# Altium PCB PCB1.PcbDoc (part 1 of 2) (continued)
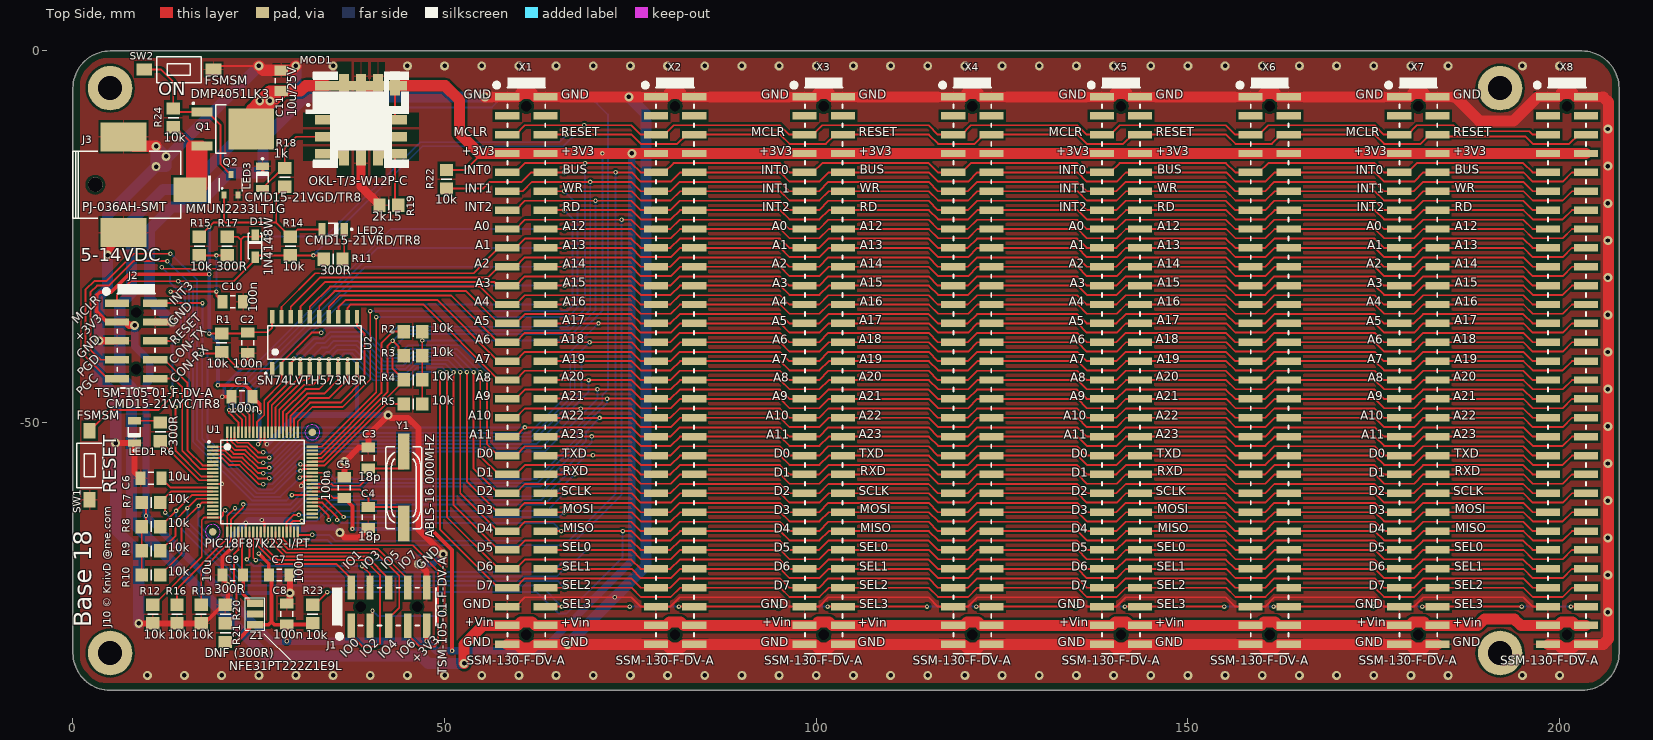
[diagram p0: Top Side view]
## Nets (pads, with @x,y where several pads share a name; then routed paths per layer and width w, separated by ;. In a path a pad name is that pad's centre, name@x,y a point inside that pad or via, vN(x,y) a via of type N, cw(c..) or ccw(c..) an arc to the next point about the centre after c; other vN are vias at no path point) (continued)
  Bottom Layer w1.5: v2(52.625,-82.4) 47.8,-82.4 46.8,-81.4 25.95,-81.4 7.875,-63.325 7.875,-45.3 6.3,-43.725 6.3,-34.15 7.875,-32.575 7.875,-22.875 12.1,-18.65 15.275,-18.65 25.125,-8.8 ; 25.125,-8.8 26.5,-7.425 v2(26.5,-6.725) v2(25.125,-6.725) 25.125,-8.8
A00: U1.39 X1.15 X2.15 X3.15 X4.15 X5.15 X6.15 X7.15 X8.15 | length 232.7
  Top Side w0.25: U1.39@29.75,-64.7 29.75,-65.85 29.9,-66 31.2,-66 v1(31.425,-65.775) ; X1.15@58.425,-23.95 59.55,-23.95 60.8,-22.7 v1(73.8,-22.7) 75.12,-22.7 76.37,-23.95 X2.15@78.425,-23.95 80.38,-23.95 81.63,-22.7 95.12,-22.7 96.37,-23.95 X3.15@98.425,-23.95 100.38,-23.95 101.63,-22.7 115.12,-22.7 116.37,-23.95 X4.15@118.425,-23.95 120.38,-23.95 121.63,-22.7 135.12,-22.7 136.37,-23.95 X5.15@138.425,-23.95 140.38,-23.95 141.63,-22.7 155.12,-22.7 156.37,-23.95 X6.15@158.425,-23.95 160.38,-23.95 161.63,-22.7 175.12,-22.7 176.37,-23.95 X7.15@178.425,-23.95 180.38,-23.95 181.63,-22.7 195.12,-22.7 196.37,-23.95 X8.15@198.425,-23.95
  Bottom Layer w0.25: v1(31.425,-65.775) 34.225,-65.775 34.95,-66.5 67,-66.5 73.8,-59.7 v1(73.8,-22.7)
A01: U2.19 X1.17 X2.17 X3.17 X4.17 X5.17 X6.17 X7.17 X8.17 | length 182.2
  Top Side w0.25: U2.19@28.055,-35.75 28.055,-34.445 32.6,-29.9 53.9,-29.9 57.31,-26.49 X1.17@58.425,-26.49 59.55,-26.49 60.8,-25.24 75.12,-25.24 76.37,-26.49 X2.17@78.425,-26.49 80.38,-26.49 81.63,-25.24 95.12,-25.24 96.37,-26.49 X3.17@98.425,-26.49 100.38,-26.49 101.63,-25.24 115.12,-25.24 116.37,-26.49 X4.17@118.425,-26.49 120.38,-26.49 121.63,-25.24 135.12,-25.24 136.37,-26.49 X5.17@138.425,-26.49 140.38,-26.49 141.63,-25.24 155.12,-25.24 156.37,-26.49 X6.17@158.425,-26.49 160.38,-26.49 161.63,-25.24 175.12,-25.24 176.37,-26.49 X7.17@178.425,-26.49 180.38,-26.49 181.63,-25.24 195.12,-25.24 196.37,-26.49 X8.17@198.425,-26.49
A02: U2.18 X1.19 X2.19 X3.19 X4.19 X5.19 X6.19 X7.19 X8.19 | length 180
  Top Side w0.25: U2.18@29.325,-35.75 29.289,-35.714 29.3,-35.703 29.3,-34.4 33.2,-30.5 55.8,-30.5 57.27,-29.03 X1.19@58.425,-29.03 59.55,-29.03 60.8,-27.78 75.12,-27.78 76.37,-29.03 X2.19@78.425,-29.03 80.38,-29.03 81.63,-27.78 95.12,-27.78 96.37,-29.03 X3.19@98.425,-29.03 100.38,-29.03 101.63,-27.78 115.12,-27.78 116.37,-29.03 X4.19@118.425,-29.03 120.38,-29.03 121.63,-27.78 135.12,-27.78 136.37,-29.03 X5.19@138.425,-29.03 140.38,-29.03 141.63,-27.78 155.12,-27.78 156.37,-29.03 X6.19@158.425,-29.03 160.38,-29.03 161.63,-27.78 175.12,-27.78 176.37,-29.03 X7.19@178.425,-29.03 180.38,-29.03 181.63,-27.78 195.12,-27.78 196.37,-29.03 X8.19@198.425,-29.03
A03: U2.17 X1.21 X2.21 X3.21 X4.21 X5.21 X6.21 X7.21 X8.21 | length 178
  Top Side w0.25: U2.17@30.595,-35.75 30.6,-35.745 30.6,-34.4 33.9,-31.1 56.7,-31.1 57.17,-31.57 X1.21@58.425,-31.57 59.55,-31.57 60.8,-30.32 75.12,-30.32 76.37,-31.57 X2.21@78.425,-31.57 80.38,-31.57 81.63,-30.32 95.12,-30.32 96.37,-31.57 X3.21@98.425,-31.57 100.38,-31.57 101.63,-30.32 115.12,-30.32 116.37,-31.57 X4.21@118.425,-31.57 120.38,-31.57 121.63,-30.32 135.12,-30.32 136.37,-31.57 X5.21@138.425,-31.57 140.38,-31.57 141.63,-30.32 155.12,-30.32 156.37,-31.57 X6.21@158.425,-31.57 160.38,-31.57 161.63,-30.32 175.12,-30.32 176.37,-31.57 X7.21@178.425,-31.57 180.38,-31.57 181.63,-30.32 195.12,-30.32 196.37,-31.57 X8.21@198.425,-31.57
A04: U2.16 X1.23 X2.23 X3.23 X4.23 X5.23 X6.23 X7.23 X8.23 | length 177.3
  Top Side w0.25: U2.16@31.865,-35.75 31.865,-34.435 34.6,-31.7 54.8,-31.7 57.21,-34.11 X1.23@58.425,-34.11 59.55,-34.11 60.8,-32.86 75.12,-32.86 76.37,-34.11 X2.23@78.425,-34.11 80.38,-34.11 81.63,-32.86 95.12,-32.86 96.37,-34.11 X3.23@98.425,-34.11 100.38,-34.11 101.63,-32.86 115.12,-32.86 116.37,-34.11 X4.23@118.425,-34.11 120.38,-34.11 121.63,-32.86 135.12,-32.86 136.37,-34.11 X5.23@138.425,-34.11 140.38,-34.11 141.63,-32.86 155.12,-32.86 156.37,-34.11 X6.23@158.425,-34.11 160.38,-34.11 161.63,-32.86 175.12,-32.86 176.37,-34.11 X7.23@178.425,-34.11 180.38,-34.11 181.63,-32.86 195.12,-32.86 196.37,-34.11 X8.23@198.425,-34.11
A05: U2.15 X1.25 X2.25 X3.25 X4.25 X5.25 X6.25 X7.25 X8.25 | length 176.6
  Top Side w0.25: U2.15@33.135,-35.75 33.135,-34.365 35.2,-32.3 52.9,-32.3 57.25,-36.65 X1.25@58.425,-36.65 59.55,-36.65 60.8,-35.4 75.12,-35.4 76.37,-36.65 X2.25@78.425,-36.65 80.38,-36.65 81.63,-35.4 95.12,-35.4 96.37,-36.65 X3.25@98.425,-36.65 100.38,-36.65 101.63,-35.4 115.12,-35.4 116.37,-36.65 X4.25@118.425,-36.65 120.38,-36.65 121.63,-35.4 135.12,-35.4 136.37,-36.65 X5.25@138.425,-36.65 140.38,-36.65 141.63,-35.4 155.12,-35.4 156.37,-36.65 X6.25@158.425,-36.65 160.38,-36.65 161.63,-35.4 175.12,-35.4 176.37,-36.65 X7.25@178.425,-36.65 180.38,-36.65 181.63,-35.4 195.12,-35.4 196.37,-36.65 X8.25@198.425,-36.65
A06: U2.14 X1.27 X2.27 X3.27 X4.27 X5.27 X6.27 X7.27 X8.27 | length 175.8
  Top Side w0.25: U2.14@34.405,-35.75 34.405,-34.395 35.9,-32.9 50.9,-32.9 57.19,-39.19 X1.27@58.425,-39.19 59.55,-39.19 60.8,-37.94 75.12,-37.94 76.37,-39.19 X2.27@78.425,-39.19 80.38,-39.19 81.63,-37.94 95.12,-37.94 96.37,-39.19 X3.27@98.425,-39.19 100.38,-39.19 101.63,-37.94 115.12,-37.94 116.37,-39.19 X4.27@118.425,-39.19 120.38,-39.19 121.63,-37.94 135.12,-37.94 136.37,-39.19 X5.27@138.425,-39.19 140.38,-39.19 141.63,-37.94 155.12,-37.94 156.37,-39.19 X6.27@158.425,-39.19 160.38,-39.19 161.63,-37.94 175.12,-37.94 176.37,-39.19 X7.27@178.425,-39.19 180.38,-39.19 181.63,-37.94 195.12,-37.94 196.37,-39.19 X8.27@198.425,-39.19
A07: U2.13 X1.29 X2.29 X3.29 X4.29 X5.29 X6.29 X7.29 X8.29 | length 175.1
  Top Side w0.25: U2.13@35.675,-35.75 35.7,-35.725 35.7,-34.5 36.7,-33.5 49,-33.5 57.23,-41.73 X1.29@58.425,-41.73 59.55,-41.73 60.8,-40.48 75.12,-40.48 76.37,-41.73 X2.29@78.425,-41.73 80.38,-41.73 81.63,-40.48 95.12,-40.48 96.37,-41.73 X3.29@98.425,-41.73 100.38,-41.73 101.63,-40.48 115.12,-40.48 116.37,-41.73 X4.29@118.425,-41.73 120.38,-41.73 121.63,-40.48 135.12,-40.48 136.37,-41.73 X5.29@138.425,-41.73 140.38,-41.73 141.63,-40.48 155.12,-40.48 156.37,-41.73 X6.29@158.425,-41.73 160.38,-41.73 161.63,-40.48 175.12,-40.48 176.37,-41.73 X7.29@178.425,-41.73 180.38,-41.73 181.63,-40.48 195.12,-40.48 196.37,-41.73 X8.29@198.425,-41.73
A08: U2.12 X1.31 X2.31 X3.31 X4.31 X5.31 X6.31 X7.31 X8.31 | length 174.3
  Top Side w0.25: U2.12@36.945,-35.75 36.945,-34.555 37.4,-34.1 47.1,-34.1 57.27,-44.27 X1.31@58.425,-44.27 59.55,-44.27 60.8,-43.02 75.12,-43.02 76.37,-44.27 X2.31@78.425,-44.27 80.38,-44.27 81.63,-43.02 95.12,-43.02 96.37,-44.27 X3.31@98.425,-44.27 100.38,-44.27 101.63,-43.02 115.12,-43.02 116.37,-44.27 X4.31@118.425,-44.27 120.38,-44.27 121.63,-43.02 135.12,-43.02 136.37,-44.27 X5.31@138.425,-44.27 140.38,-44.27 141.63,-43.02 155.12,-43.02 156.37,-44.27 X6.31@158.425,-44.27 160.38,-44.27 161.63,-43.02 175.12,-43.02 176.37,-44.27 X7.31@178.425,-44.27 180.38,-44.27 181.63,-43.02 195.12,-43.02 196.37,-44.27 X8.31@198.425,-44.27
A09: U1.4 X1.33 X2.33 X3.33 X4.33 X5.33 X6.33 X7.33 X8.33 | length 206.6
  Top Side w0.25: U1.4@18.8,-54.75 20.05,-54.75 21,-55.7 22.4,-55.7 25,-58.3 v1(25.6,-58.3) ; X1.33@58.425,-46.81 59.55,-46.81 60.835,-45.525 v1(70.55,-45.525) 75.085,-45.525 76.37,-46.81 X2.33@78.425,-46.81 80.38,-46.81 81.63,-45.56 95.12,-45.56 96.37,-46.81 X3.33@98.425,-46.81 100.38,-46.81 101.63,-45.56 115.12,-45.56 116.37,-46.81 X4.33@118.425,-46.81 120.38,-46.81 121.63,-45.56 135.12,-45.56 136.37,-46.81 X5.33@138.425,-46.81 140.38,-46.81 141.63,-45.56 155.12,-45.56 156.37,-46.81 X6.33@158.425,-46.81 160.38,-46.81 161.63,-45.56 175.12,-45.56 176.37,-46.81 X7.33@178.425,-46.81 180.38,-46.81 181.63,-45.56 195.12,-45.56 196.37,-46.81 X8.33@198.425,-46.81
  Bottom Layer w0.25: v1(25.6,-58.3) 26.8,-58.3 31.2,-53.9 63.5,-53.9 70.55,-46.85 v1(70.55,-45.525)
A10: U1.3 X1.35 X2.35 X3.35 X4.35 X5.35 X6.35 X7.35 X8.35 | length 202
  Top Side w0.25: U1.3@18.8,-54.25 20.25,-54.25 21.2,-55.2 22.6,-55.2 24.9,-57.5 v1(26.4,-57.5) ; X1.35@58.425,-49.35 59.55,-49.35 60.8,-48.1 v1(68.3,-48.1) 75.12,-48.1 76.37,-49.35 X2.35@78.425,-49.35 80.38,-49.35 81.63,-48.1 95.12,-48.1 96.37,-49.35 X3.35@98.425,-49.35 100.38,-49.35 101.63,-48.1 115.12,-48.1 116.37,-49.35 X4.35@118.425,-49.35 120.38,-49.35 121.63,-48.1 135.12,-48.1 136.37,-49.35 X5.35@138.425,-49.35 140.38,-49.35 141.63,-48.1 155.12,-48.1 156.37,-49.35 X6.35@158.425,-49.35 160.38,-49.35 161.63,-48.1 175.12,-48.1 176.37,-49.35 X7.35@178.425,-49.35 180.38,-49.35 181.63,-48.1 195.12,-48.1 196.37,-49.35 X8.35@198.425,-49.35
  Bottom Layer w0.25: v1(26.4,-57.5) 26.8,-57.5 30.9,-53.4 63,-53.4 v1(68.3,-48.1)
A11: U1.78 X1.37 X2.37 X3.37 X4.37 X5.37 X6.37 X7.37 X8.37 | length 189.4
  Top Side w0.25: U1.78@21.75,-51.3 21.75,-52.25 22.2,-52.7 23.6,-52.7 24.9,-54 v1(25.6,-54) ; X1.37@58.425,-51.89 59.55,-51.89 v1(60.8,-50.64) 75.12,-50.64 76.37,-51.89 X2.37@78.425,-51.89 80.38,-51.89 81.63,-50.64 95.12,-50.64 96.37,-51.89 X3.37@98.425,-51.89 100.38,-51.89 101.63,-50.64 115.12,-50.64 116.37,-51.89 X4.37@118.425,-51.89 120.38,-51.89 121.63,-50.64 135.12,-50.64 136.37,-51.89 X5.37@138.425,-51.89 140.38,-51.89 141.63,-50.64 155.12,-50.64 156.37,-51.89 X6.37@158.425,-51.89 160.38,-51.89 161.63,-50.64 175.12,-50.64 176.37,-51.89 X7.37@178.425,-51.89 180.38,-51.89 181.63,-50.64 195.12,-50.64 196.37,-51.89 X8.37@198.425,-51.89
  Bottom Layer w0.25: v1(25.6,-54) 26.5,-54 29.86,-50.64 v1(60.8,-50.64)
A12: U1.77 X1.16 X2.16 X3.16 X4.16 X5.16 X6.16 X7.16 X8.16 | length 207.5
  Top Side w0.25: v1(21,-48.3) 21,-48.7 22.25,-49.95 U1.77@22.25,-51.3 ; X1.16@63.575,-23.95 v1(66.1,-23.95) 75.15,-23.95 76.4,-25.2 80.42,-25.2 81.67,-23.95 X2.16@83.575,-23.95 95.15,-23.95 96.4,-25.2 100.42,-25.2 101.67,-23.95 X3.16@103.575,-23.95 115.15,-23.95 116.4,-25.2 120.42,-25.2 121.67,-23.95 X4.16@123.575,-23.95 135.15,-23.95 136.4,-25.2 140.42,-25.2 141.67,-23.95 X5.16@143.575,-23.95 155.15,-23.95 156.4,-25.2 160.42,-25.2 161.67,-23.95 X6.16@163.575,-23.95 175.15,-23.95 176.4,-25.2 180.42,-25.2 181.67,-23.95 X7.16@183.575,-23.95 195.15,-23.95 196.4,-25.2 200.42,-25.2 201.67,-23.95 X8.16@203.575,-23.95
  Bottom Layer w0.25: v1(21,-48.3) 21,-45.7 42.75,-23.95 v1(66.1,-23.95)
A13: U1.76 X1.18 X2.18 X3.18 X4.18 X5.18 X6.18 X7.18 X8.18 | length 205.5
  Top Side w0.25: v1(21.8,-48.3) 21.8,-48.65 22.75,-49.6 U1.76@22.75,-51.3 ; X1.18@63.575,-26.49 v1(66.1,-26.49) 75.15,-26.49 76.4,-27.74 80.42,-27.74 81.67,-26.49 X2.18@83.575,-26.49 95.15,-26.49 96.4,-27.74 100.42,-27.74 101.67,-26.49 X3.18@103.575,-26.49 115.15,-26.49 116.4,-27.74 120.42,-27.74 121.67,-26.49 X4.18@123.575,-26.49 135.15,-26.49 136.4,-27.74 140.42,-27.74 141.67,-26.49 X5.18@143.575,-26.49 155.15,-26.49 156.4,-27.74 160.42,-27.74 161.67,-26.49 X6.18@163.575,-26.49 175.15,-26.49 176.4,-27.74 180.42,-27.74 181.67,-26.49 X7.18@183.575,-26.49 195.15,-26.49 196.4,-27.74 200.42,-27.74 201.67,-26.49 X8.18@203.575,-26.49
  Bottom Layer w0.25: v1(21.8,-48.3) 21.8,-45.7 41.01,-26.49 v1(66.1,-26.49)
A14: U1.75 X1.20 X2.20 X3.20 X4.20 X5.20 X6.20 X7.20 X8.20 | length 203.5
  Top Side w0.25: v1(22.6,-48.3) 22.6,-48.6 23.25,-49.25 U1.75@23.25,-51.3 ; X1.20@63.575,-29.03 v1(66.1,-29.03) 75.15,-29.03 76.4,-30.28 80.42,-30.28 81.67,-29.03 X2.20@83.575,-29.03 95.15,-29.03 96.4,-30.28 100.42,-30.28 101.67,-29.03 X3.20@103.575,-29.03 115.15,-29.03 116.4,-30.28 120.42,-30.28 121.67,-29.03 X4.20@123.575,-29.03 135.15,-29.03 136.4,-30.28 140.42,-30.28 141.67,-29.03 X5.20@143.575,-29.03 155.15,-29.03 156.4,-30.28 160.42,-30.28 161.67,-29.03 X6.20@163.575,-29.03 175.15,-29.03 176.4,-30.28 180.42,-30.28 181.67,-29.03 X7.20@183.575,-29.03 195.15,-29.03 196.4,-30.28 200.42,-30.28 201.67,-29.03 X8.20@203.575,-29.03
  Bottom Layer w0.25: v1(22.6,-48.3) 22.6,-45.75 39.32,-29.03 v1(66.1,-29.03)
A15: U1.74 X1.22 X2.22 X3.22 X4.22 X5.22 X6.22 X7.22 X8.22 | length 201.5
  Top Side w0.25: v1(23.4,-48.3) 23.4,-48.6 23.75,-48.95 U1.74@23.75,-51.3 ; X1.22@63.575,-31.57 v1(66.1,-31.57) 75.15,-31.57 76.4,-32.82 80.42,-32.82 81.67,-31.57 X2.22@83.575,-31.57 95.15,-31.57 96.4,-32.82 100.42,-32.82 101.67,-31.57 X3.22@103.575,-31.57 115.15,-31.57 116.4,-32.82 120.42,-32.82 121.67,-31.57 X4.22@123.575,-31.57 135.15,-31.57 136.4,-32.82 140.42,-32.82 141.67,-31.57 X5.22@143.575,-31.57 155.15,-31.57 156.4,-32.82 160.42,-32.82 161.67,-31.57 X6.22@163.575,-31.57 175.15,-31.57 176.4,-32.82 180.42,-32.82 181.67,-31.57 X7.22@183.575,-31.57 195.15,-31.57 196.4,-32.82 200.42,-32.82 201.67,-31.57 X8.22@203.575,-31.57
  Bottom Layer w0.25: v1(23.4,-48.3) 23.4,-45.8 37.63,-31.57 v1(66.1,-31.57)
A16: U1.73 X1.24 X2.24 X3.24 X4.24 X5.24 X6.24 X7.24 X8.24 | length 199.5
  Top Side w0.25: U1.73@24.25,-51.3 v1(24.25,-48.3) ; X1.24@63.575,-34.11 v1(66.1,-34.11) 75.15,-34.11 76.4,-35.36 80.42,-35.36 81.67,-34.11 X2.24@83.575,-34.11 95.15,-34.11 96.4,-35.36 100.42,-35.36 101.67,-34.11 X3.24@103.575,-34.11 115.15,-34.11 116.4,-35.36 120.42,-35.36 121.67,-34.11 X4.24@123.575,-34.11 135.15,-34.11 136.4,-35.36 140.42,-35.36 141.67,-34.11 X5.24@143.575,-34.11 155.15,-34.11 156.4,-35.36 160.42,-35.36 161.67,-34.11 X6.24@163.575,-34.11 175.15,-34.11 176.4,-35.36 180.42,-35.36 181.67,-34.11 X7.24@183.575,-34.11 195.15,-34.11 196.4,-35.36 200.42,-35.36 201.67,-34.11 X8.24@203.575,-34.11
  Bottom Layer w0.25: v1(24.25,-48.3) 24.25,-45.75 35.89,-34.11 v1(66.1,-34.11)
A17: U1.79 X1.26 X2.26 X3.26 X4.26 X5.26 X6.26 X7.26 X8.26 | length 209.5
  Top Side w0.25: U1.79@21.25,-51.3 21.25,-52.45 22,-53.2 23.4,-53.2 24.9,-54.7 v1(26.4,-54.7) ; X1.26@63.575,-36.65 v1(70.7,-36.65) 75.15,-36.65 76.4,-37.9 80.42,-37.9 81.67,-36.65 X2.26@83.575,-36.65 95.15,-36.65 96.4,-37.9 100.42,-37.9 101.67,-36.65 X3.26@103.575,-36.65 115.15,-36.65 116.4,-37.9 120.42,-37.9 121.67,-36.65 X4.26@123.575,-36.65 135.15,-36.65 136.4,-37.9 140.42,-37.9 141.67,-36.65 X5.26@143.575,-36.65 155.15,-36.65 156.4,-37.9 160.42,-37.9 161.67,-36.65 X6.26@163.575,-36.65 175.15,-36.65 176.4,-37.9 180.42,-37.9 181.67,-36.65 X7.26@183.575,-36.65 195.15,-36.65 196.4,-37.9 200.42,-37.9 201.67,-36.65 X8.26@203.575,-36.65
  Bottom Layer w0.25: v1(26.4,-54.7) 26.5,-54.7 29.8,-51.4 61.4,-51.4 66.9,-45.9 66.9,-40.45 v1(70.7,-36.65)
A18: U1.80 X1.28 X2.28 X3.28 X4.28 X5.28 X6.28 X7.28 X8.28 | length 208.1
  Top Side w0.25: U1.80@20.75,-51.3 20.75,-52.65 21.8,-53.7 23.2,-53.7 24.9,-55.4 v1(25.6,-55.4) ; X1.28@63.575,-39.19 v1(69.5,-39.19) 75.15,-39.19 76.4,-40.44 80.42,-40.44 81.67,-39.19 X2.28@83.575,-39.19 95.15,-39.19 96.4,-40.44 100.42,-40.44 101.67,-39.19 X3.28@103.575,-39.19 115.15,-39.19 116.4,-40.44 120.42,-40.44 121.67,-39.19 X4.28@123.575,-39.19 135.15,-39.19 136.4,-40.44 140.42,-40.44 141.67,-39.19 X5.28@143.575,-39.19 155.15,-39.19 156.4,-40.44 160.42,-40.44 161.67,-39.19 X6.28@163.575,-39.19 175.15,-39.19 176.4,-40.44 180.42,-40.44 181.67,-39.19 X7.28@183.575,-39.19 195.15,-39.19 196.4,-40.44 200.42,-40.44 201.67,-39.19 X8.28@203.575,-39.19
  Bottom Layer w0.25: v1(25.6,-55.4) 26.7,-55.4 30.2,-51.9 61.7,-51.9 67.5,-46.1 67.5,-41.19 v1(69.5,-39.19)
A19: U1.1 X1.30 X2.30 X3.30 X4.30 X5.30 X6.30 X7.30 X8.30 | length 206.5
  Top Side w0.25: U1.1@18.8,-53.25 20.65,-53.25 21.6,-54.2 23,-54.2 24.9,-56.1 v1(26.4,-56.1) ; X1.30@63.575,-41.73 v1(68.4,-41.73) 75.15,-41.73 76.4,-42.98 80.42,-42.98 81.67,-41.73 X2.30@83.575,-41.73 95.15,-41.73 96.4,-42.98 100.42,-42.98 101.67,-41.73 X3.30@103.575,-41.73 115.15,-41.73 116.4,-42.98 120.42,-42.98 121.67,-41.73 X4.30@123.575,-41.73 135.15,-41.73 136.4,-42.98 140.42,-42.98 141.67,-41.73 X5.30@143.575,-41.73 155.15,-41.73 156.4,-42.98 160.42,-42.98 161.67,-41.73 X6.30@163.575,-41.73 175.15,-41.73 176.4,-42.98 180.42,-42.98 181.67,-41.73 X7.30@183.575,-41.73 195.15,-41.73 196.4,-42.98 200.42,-42.98 201.67,-41.73 X8.30@203.575,-41.73
  Bottom Layer w0.25: v1(26.4,-56.1) 26.7,-56.1 30.4,-52.4 62,-52.4 68.4,-46 v1(68.4,-41.73)
A20: U1.2 X1.32 X2.32 X3.32 X4.32 X5.32 X6.32 X7.32 X8.32 | length 205.2
  Top Side w0.25: U1.2@18.8,-53.75 20.45,-53.75 21.4,-54.7 22.8,-54.7 24.9,-56.8 v1(25.6,-56.8) ; X1.32@63.575,-44.27 v1(69.362,-44.27) 75.15,-44.27 76.4,-45.52 80.42,-45.52 81.67,-44.27 X2.32@83.575,-44.27 95.15,-44.27 96.4,-45.52 100.42,-45.52 101.67,-44.27 X3.32@103.575,-44.27 115.15,-44.27 116.4,-45.52 120.42,-45.52 121.67,-44.27 X4.32@123.575,-44.27 135.15,-44.27 136.4,-45.52 140.42,-45.52 141.67,-44.27 X5.32@143.575,-44.27 155.15,-44.27 156.4,-45.52 160.42,-45.52 161.67,-44.27 X6.32@163.575,-44.27 175.15,-44.27 176.4,-45.52 180.42,-45.52 181.67,-44.27 X7.32@183.575,-44.27 195.15,-44.27 196.4,-45.52 200.42,-45.52 201.67,-44.27 X8.32@203.575,-44.27
  Bottom Layer w0.25: v1(25.6,-56.8) 26.7,-56.8 30.6,-52.9 62.3,-52.9 69.362,-45.838 v1(69.362,-44.27)
A21: R13.1 U1.22 X1.34 X2.34 X3.34 X4.34 X5.34 X6.34 X7.34 X8.34 | length 219.1
  Top Side w0.25: R13.1@17.25,-74.5 17.25,-69.9 21.25,-65.9 U1.22@21.25,-64.7 21.25,-63.05 22.9,-61.4 v1(22.9,-61) ; X1.34@63.575,-46.81 63.61,-46.775 v1(71.85,-46.775) 75.115,-46.775 76.4,-48.06 80.42,-48.06 81.67,-46.81 X2.34@83.575,-46.81 95.15,-46.81 96.4,-48.06 100.42,-48.06 101.67,-46.81 X3.34@103.575,-46.81 115.15,-46.81 116.4,-48.06 120.42,-48.06 121.67,-46.81 X4.34@123.575,-46.81 135.15,-46.81 136.4,-48.06 140.42,-48.06 141.67,-46.81 X5.34@143.575,-46.81 155.15,-46.81 156.4,-48.06 160.42,-48.06 161.67,-46.81 X6.34@163.575,-46.81 175.15,-46.81 176.4,-48.06 180.42,-48.06 181.67,-46.81 X7.34@183.575,-46.81 195.15,-46.81 196.4,-48.06 200.42,-48.06 201.67,-46.81 X8.34@203.575,-46.81
  Bottom Layer w0.25: v1(22.9,-61) 29.25,-61 32.15,-58.1 62.55,-58.1 68.425,-52.225 68.425,-50.775 71.85,-47.35 v1(71.85,-46.775)
A22: R16.1 U1.21 X1.36 X2.36 X3.36 X4.36 X5.36 X6.36 X7.36 X8.36 | length 218.5
  Top Side w0.25: R16.1@14,-74.5 14,-72.325 20.75,-65.575 U1.21@20.75,-64.7 20.75,-62.55 v1(21.8,-61.5) ; X1.36@63.575,-49.35 63.6,-49.375 v1(70.85,-49.375) 75.125,-49.375 75.15,-49.35 76.4,-50.6 80.42,-50.6 81.67,-49.35 X2.36@83.575,-49.35 95.15,-49.35 96.4,-50.6 100.42,-50.6 101.67,-49.35 X3.36@103.575,-49.35 115.15,-49.35 116.4,-50.6 120.42,-50.6 121.67,-49.35 X4.36@123.575,-49.35 135.15,-49.35 136.4,-50.6 140.42,-50.6 141.67,-49.35 X5.36@143.575,-49.35 155.15,-49.35 156.4,-50.6 160.42,-50.6 161.67,-49.35 X6.36@163.575,-49.35 175.15,-49.35 176.4,-50.6 180.42,-50.6 181.67,-49.35 X7.36@183.575,-49.35 195.15,-49.35 196.4,-50.6 200.42,-50.6 201.67,-49.35 X8.36@203.575,-49.35
  Bottom Layer w0.25: v1(21.8,-61.5) 22,-61.7 29.3,-61.7 32.4,-58.6 62.875,-58.6 69.025,-52.45 69.025,-51.2 v1(70.85,-49.375)
A23: R12.1 U1.20 X1.38 X2.38 X3.38 X4.38 X5.38 X6.38 X7.38 X8.38 | length 219.6
  Top Side w0.25: R12.1@10.75,-74.5 10.9,-74.5 17.325,-68.075 17.325,-63.1 17.675,-62.75 U1.20@18.8,-62.75 19.95,-62.75 20.175,-62.525 20.175,-62.125 v1(20.5,-61.8) ; X1.38@63.575,-51.89 63.615,-51.85 v1(69.8,-51.85) 75.11,-51.85 76.4,-53.14 80.42,-53.14 81.67,-51.89 X2.38@83.575,-51.89 95.15,-51.89 96.4,-53.14 100.42,-53.14 101.67,-51.89 X3.38@103.575,-51.89 115.15,-51.89 116.4,-53.14 120.42,-53.14 121.67,-51.89 X4.38@123.575,-51.89 135.15,-51.89 136.4,-53.14 140.42,-53.14 141.67,-51.89 X5.38@143.575,-51.89 155.15,-51.89 156.4,-53.14 160.42,-53.14 161.67,-51.89 X6.38@163.575,-51.89 175.15,-51.89 176.4,-53.14 180.42,-53.14 181.67,-51.89 X7.38@183.575,-51.89 195.15,-51.89 196.4,-53.14 200.42,-53.14 201.67,-51.89 X8.38@203.575,-51.89
  Bottom Layer w0.25: v1(20.5,-61.8) 20.9,-62.2 29.6,-62.2 31.9,-59.9 62.525,-59.9 69.8,-52.625 v1(69.8,-51.85)
ALE: U1.62 U2.11 | length 22.3
  Top Side w0.25: U1.62@29.75,-51.3 29.75,-49.45 31.9,-47.3 36,-47.3 39.2,-44.1 39.2,-38 38.215,-37.015 U2.11@38.215,-35.75
BUS#: R22.2 U1.40 X1.10 X2.10 X3.10 X4.10 X5.10 X6.10 X7.10 X8.10 | length 250.8
  Top Side w0.25: U1.40@30.25,-64.7 30.25,-65 30.35,-65.1 v1(32.2,-65.1) ; R22.2@50.25,-18.5 55.225,-18.5 56.1,-17.625 60.375,-17.625 61.67,-16.33 X1.10@63.575,-16.33 v1(66.1,-16.33) v1(73,-16.33) 75.15,-16.33 76.4,-17.58 80.42,-17.58 81.67,-16.33 X2.10@83.575,-16.33 95.15,-16.33 96.4,-17.58 100.42,-17.58 101.67,-16.33 X3.10@103.575,-16.33 115.15,-16.33 116.4,-17.58 120.42,-17.58 121.67,-16.33 X4.10@123.575,-16.33 135.15,-16.33 136.4,-17.58 140.42,-17.58 141.67,-16.33 X5.10@143.575,-16.33 155.15,-16.33 156.4,-17.58 160.42,-17.58 161.67,-16.33 X6.10@163.575,-16.33 175.15,-16.33 176.4,-17.58 180.42,-17.58 181.67,-16.33 X7.10@183.575,-16.33 195.15,-16.33 196.4,-17.58 200.42,-17.58 201.67,-16.33 X8.10@203.575,-16.33
  Bottom Layer w0.25: v1(32.2,-65.1) 34.5,-65.1 35.3,-65.9 66.7,-65.9 73,-59.6 v1(73,-16.33)
DB0: U1.72 U2.2 X1.39 X2.39 X3.39 X4.39 X5.39 X6.39 X7.39 X8.39 | length 204.1
  Top Side w0.25: U1.72@24.75,-51.3 24.75,-49.95 25.725,-48.975 25.725,-46.975 28.055,-44.645 U2.2@28.055,-42.75 28.055,-41.945 32.1,-37.9 v1(33.4,-37.9) ; v1(55.7,-43.8) 55.7,-52.9 57.23,-54.43 X1.39@58.425,-54.43 59.55,-54.43 60.8,-53.18 75.12,-53.18 76.37,-54.43 X2.39@78.425,-54.43 80.38,-54.43 81.63,-53.18 95.12,-53.18 96.37,-54.43 X3.39@98.425,-54.43 100.38,-54.43 101.63,-53.18 115.12,-53.18 116.37,-54.43 X4.39@118.425,-54.43 120.38,-54.43 121.63,-53.18 135.12,-53.18 136.37,-54.43 X5.39@138.425,-54.43 140.38,-54.43 141.63,-53.18 155.12,-53.18 156.37,-54.43 X6.39@158.425,-54.43 160.38,-54.43 161.63,-53.18 175.12,-53.18 176.37,-54.43 X7.39@178.425,-54.43 180.38,-54.43 181.63,-53.18 195.12,-53.18 196.37,-54.43 X8.39@198.425,-54.43
  Bottom Layer w0.25: v1(33.4,-37.9) 34.1,-37.2 38.9,-37.2 42.5,-40.8 43.9,-40.8 45.1,-39.6 52.1,-39.6 55.7,-43.2 v1(55.7,-43.8)
DB1: U1.69 U2.3 X1.41 X2.41 X3.41 X4.41 X5.41 X6.41 X7.41 X8.41 | length 204.3
  Top Side w0.25: U1.69@26.25,-51.3 26.25,-47.35 29.325,-44.275 U2.3@29.325,-42.75 29.325,-41.975 29.7,-41.6 v1(29.7,-41.4) ; v1(54.8,-43.2) 54.8,-54.5 57.27,-56.97 X1.41@58.425,-56.97 59.55,-56.97 60.8,-55.72 75.12,-55.72 76.37,-56.97 X2.41@78.425,-56.97 80.38,-56.97 81.63,-55.72 95.12,-55.72 96.37,-56.97 X3.41@98.425,-56.97 100.38,-56.97 101.63,-55.72 115.12,-55.72 116.37,-56.97 X4.41@118.425,-56.97 120.38,-56.97 121.63,-55.72 135.12,-55.72 136.37,-56.97 X5.41@138.425,-56.97 140.38,-56.97 141.63,-55.72 155.12,-55.72 156.37,-56.97 X6.41@158.425,-56.97 160.38,-56.97 161.63,-55.72 175.12,-55.72 176.37,-56.97 X7.41@178.425,-56.97 180.38,-56.97 181.63,-55.72 195.12,-55.72 196.37,-56.97 X8.41@198.425,-56.97
  Bottom Layer w0.25: v1(29.7,-41.4) 32.4,-38.7 33.7,-38.7 34.6,-37.8 38.7,-37.8 42.2,-41.3 44.1,-41.3 45.3,-40.1 51.7,-40.1 v1(54.8,-43.2)
DB2: U1.68 U2.4 X1.43 X2.43 X3.43 X4.43 X5.43 X6.43 X7.43 X8.43 | length 205.1
  Top Side w0.25: U1.68@26.75,-51.3 26.75,-47.65 30.595,-43.805 U2.4@30.595,-42.75 v1(30.595,-41.445) ; v1(53.9,-43.2) 53.9,-56.2 57.21,-59.51 X1.43@58.425,-59.51 59.55,-59.51 60.8,-58.26 75.12,-58.26 76.37,-59.51 X2.43@78.425,-59.51 80.38,-59.51 81.63,-58.26 95.12,-58.26 96.37,-59.51 X3.43@98.425,-59.51 100.38,-59.51 101.63,-58.26 115.12,-58.26 116.37,-59.51 X4.43@118.425,-59.51 120.38,-59.51 121.63,-58.26 135.12,-58.26 136.37,-59.51 X5.43@138.425,-59.51 140.38,-59.51 141.63,-58.26 155.12,-58.26 156.37,-59.51 X6.43@158.425,-59.51 160.38,-59.51 161.63,-58.26 175.12,-58.26 176.37,-59.51 X7.43@178.425,-59.51 180.38,-59.51 181.63,-58.26 195.12,-58.26 196.37,-59.51 X8.43@198.425,-59.51
  Bottom Layer w0.25: v1(30.595,-41.445) 32.74,-39.3 33.9,-39.3 34.8,-38.4 38.5,-38.4 41.9,-41.8 44.3,-41.8 45.5,-40.6 51.3,-40.6 v1(53.9,-43.2)
DB3: U1.67 U2.5 X1.45 X2.45 X3.45 X4.45 X5.45 X6.45 X7.45 X8.45 | length 206.1
  Top Side w0.25: U1.67@27.25,-51.3 27.25,-47.95 30.9,-44.3 31.5,-44.3 31.865,-43.935 U2.5@31.865,-42.75 v1(31.865,-41.445) ; v1(53,-43.2) 53,-57.9 57.15,-62.05 X1.45@58.425,-62.05 59.55,-62.05 60.8,-60.8 75.12,-60.8 76.37,-62.05 X2.45@78.425,-62.05 80.38,-62.05 81.63,-60.8 95.12,-60.8 96.37,-62.05 X3.45@98.425,-62.05 100.38,-62.05 101.63,-60.8 115.12,-60.8 116.37,-62.05 X4.45@118.425,-62.05 120.38,-62.05 121.63,-60.8 135.12,-60.8 136.37,-62.05 X5.45@138.425,-62.05 140.38,-62.05 141.63,-60.8 155.12,-60.8 156.37,-62.05 X6.45@158.425,-62.05 160.38,-62.05 161.63,-60.8 175.12,-60.8 176.37,-62.05 X7.45@178.425,-62.05 180.38,-62.05 181.63,-60.8 195.12,-60.8 196.37,-62.05 X8.45@198.425,-62.05
  Bottom Layer w0.25: v1(31.865,-41.445) 33.41,-39.9 34.2,-39.9 35.1,-39 38.3,-39 41.6,-42.3 44.5,-42.3 45.7,-41.1 50.9,-41.1 v1(53,-43.2)